# Altium PCB Main.PcbDoc (part 1 of 2) (continued)
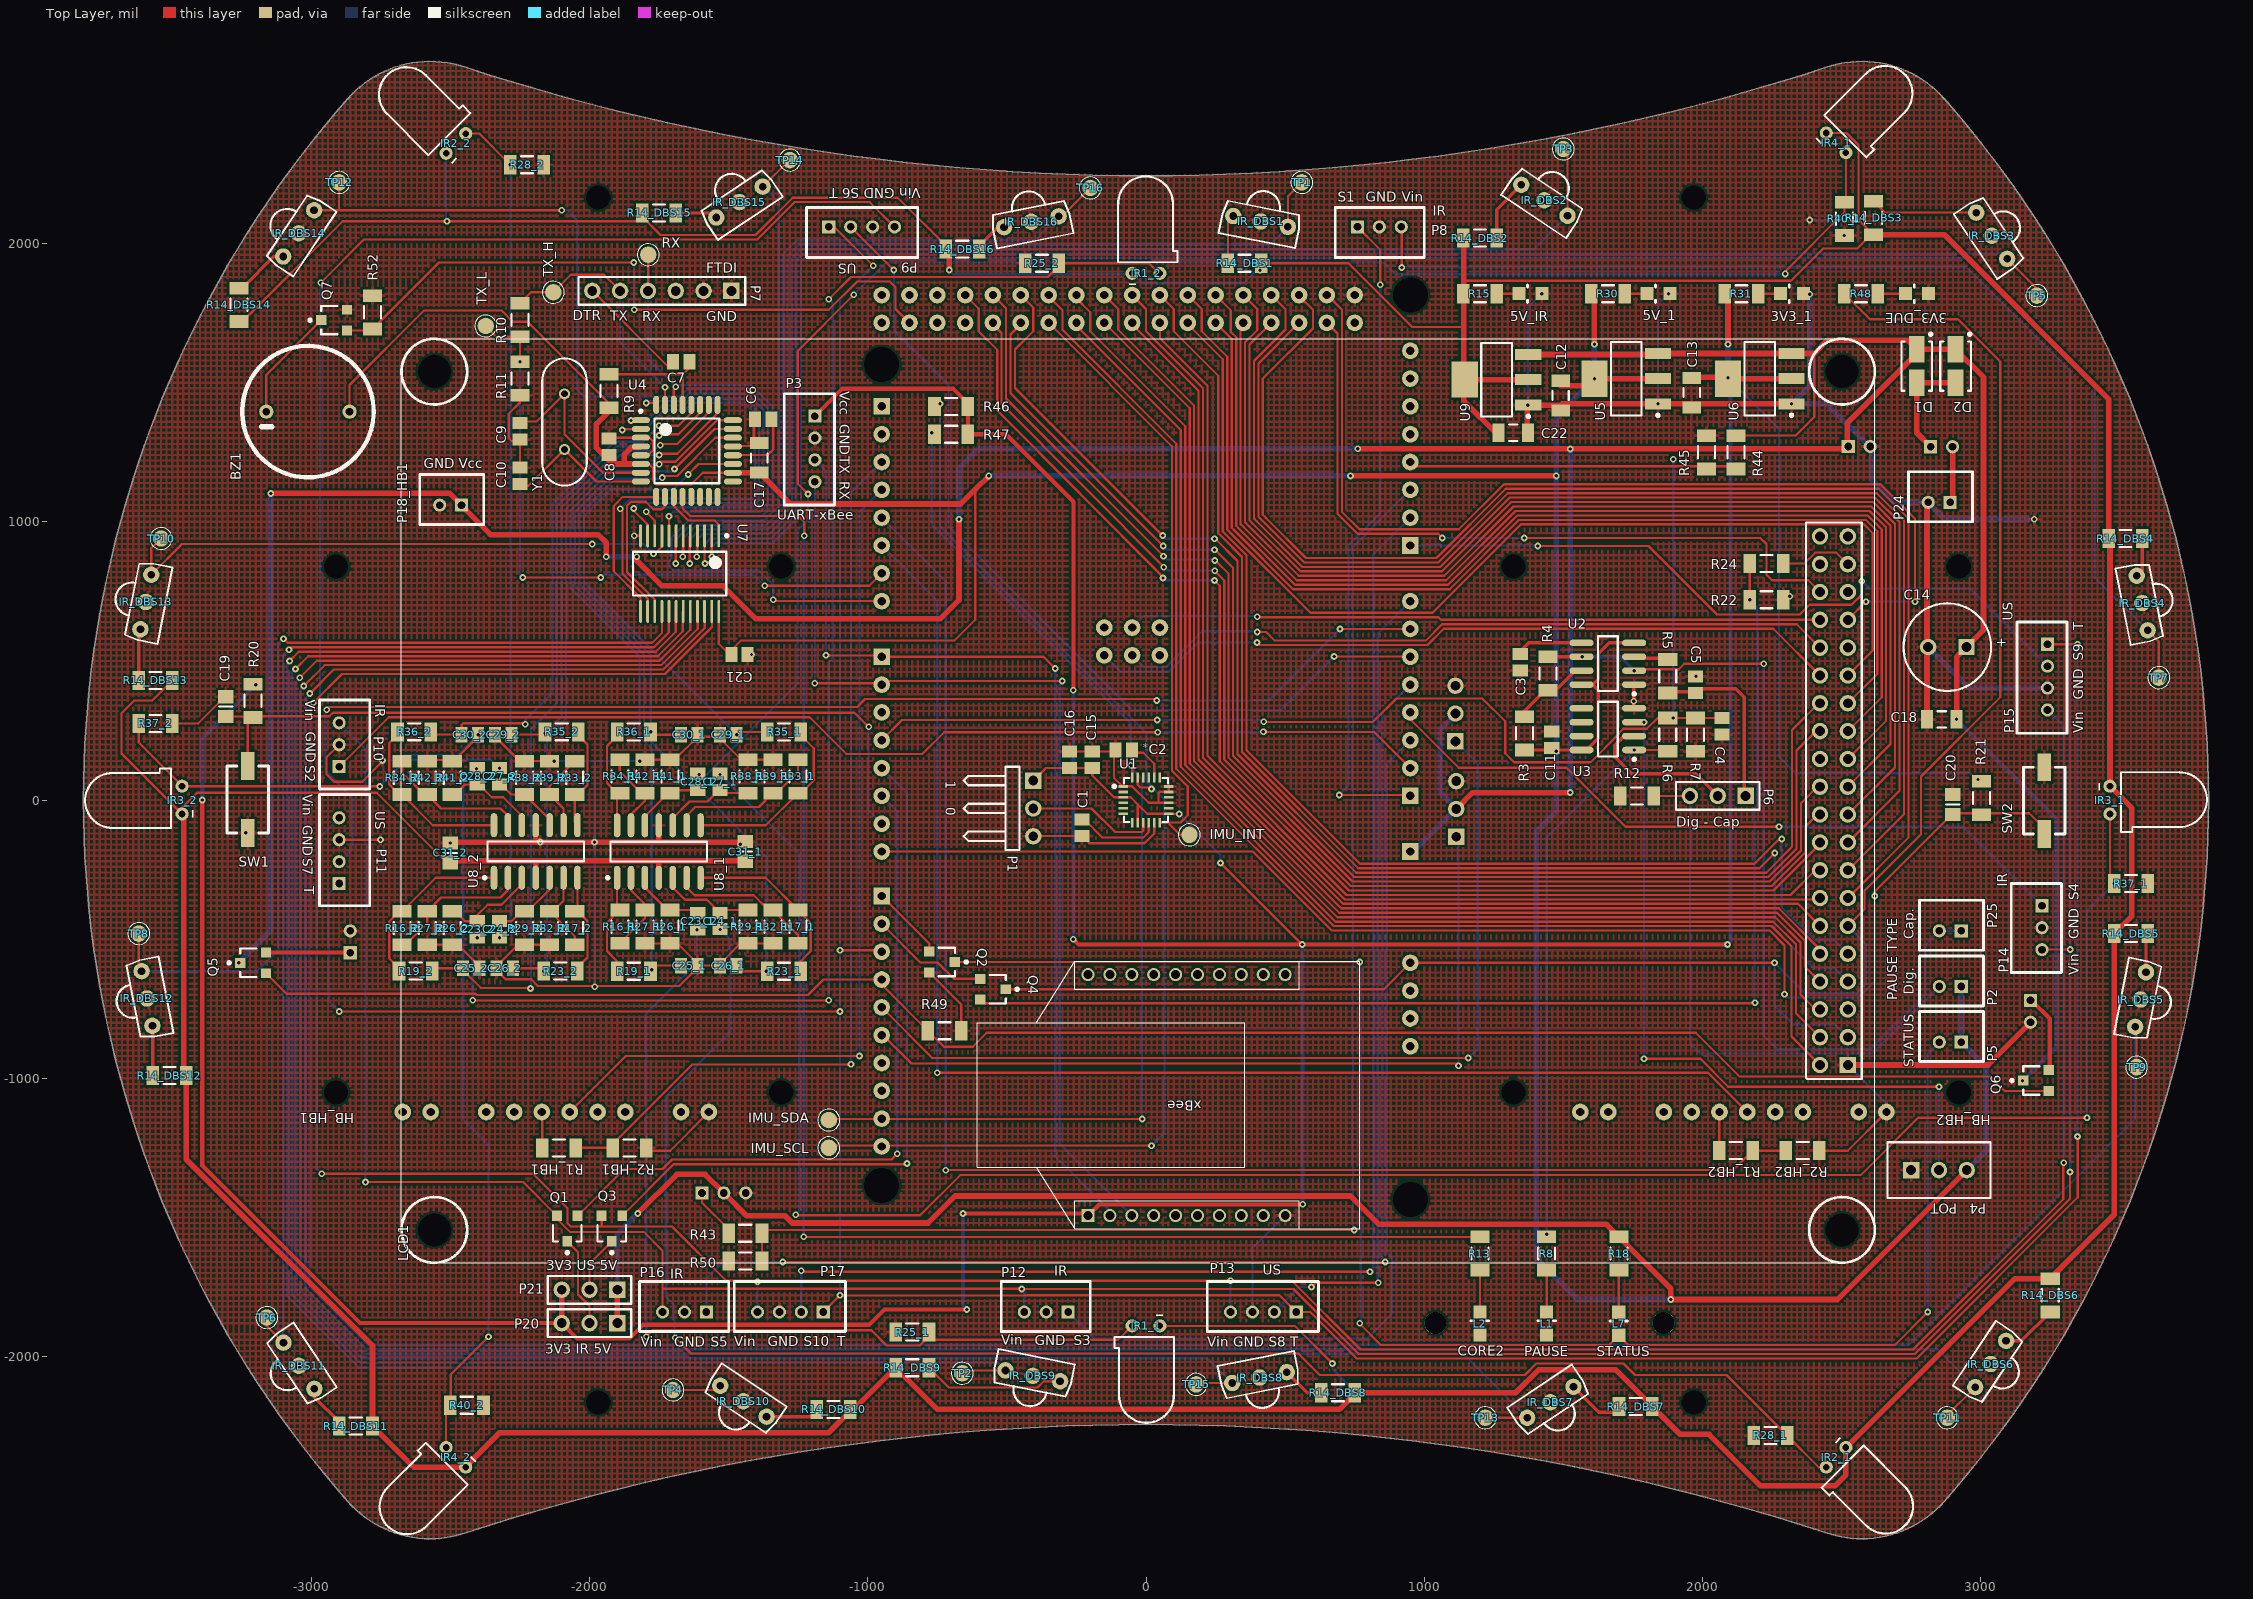
[diagram p0: Top Layer view]
## Components (designator, comment, footprint, x,y, rotation, side; value= is the part's Value field where it differs from the comment) (continued)
RX "Test Point" TP1 -1789,1960 r0 top
SW1 "PUSH BUTTON" "PUSH-BUTTON 5,2X1,6MM" -3228.35,-118.11 r90 top
SW2 "PUSH BUTTON" "PUSH-BUTTON 5,2X1,6MM" 3228.35,118.11 r270 top
TP1 "Test Point" TP1 560,2220 r0 top
TP2 "Test Point" TP1 -660,-2060 r0 top
TP3 "Test Point" TP1 1500,2340 r0 top
TP4 "Test Point" TP1 -1700,-2120 r0 top
TP5 "Test Point" TP1 3202,1813 r0 top
TP6 "Test Point" TP1 -3160,-1860 r0 top
TP7 "Test Point" TP1 3640,440 r0 top
TP8 "Test Point" TP1 -3620,-480 r0 top
TP9 "Test Point" TP1 3560,-960 r0 top
TP10 "Test Point" TP1 -3540,940 r90 top
TP11 "Test Point" TP1 2880,-2220 r90 top
TP12 "Test Point" TP1 -2900,2220 r90 top
TP13 "Test Point" TP1 1220,-2220 r90 top
TP14 "Test Point" TP1 -1280,2300 r90 top
TP15 "Test Point" TP1 180,-2100 r90 top
TP16 "Test Point" TP1 -200,2200 r90 top
TX_H "Test Point" TP1 -2130,1825 r90 top
TX_L "Test Point" TP1 -2373,1704 r90 top
U1 "MPU-9150" QFN50P400X400X100-24N 0,0 r0 top
U2 "LM555CM" M08A_N 1660,490 r180 top
U3 "LM358D" 751-02_N 1660,254.96 r180 top
U4 "ATmega328-AU" 32A_N -1650,1255 r0 top locked
U5 "LM1117IMPX-5.0/NOPB" MP04A_N 1725.83,1514.45 r180 top
U6 "LM1117IMPX-3.3/NOPB" MP04A_N 2205.83,1514.45 r180 top
U7 "4067" SSOP-24 -1676,814 r270 top
U8_1 "LM224D" SO14_N -1751,-185 r90 top (schematic designator U8)
U8_2 "LM224D" SO14_N -2193.4,-184.8 r90 top (schematic designator U8)
U9 "LM1117IMPX-5.0/NOPB" MP04A_N 1260,1510.9 r180 top
xBee "xBee" xBee 571,-580 r180 top locked
Y1 "16Mhz" OSC-2-PIN-TH -2090,1460 r270 top

## Footprints (in the part's own frame and the unit in brackets; to place one, negate y for a bottom-side part, rotate by r counter-clockwise, add the part's x,y. Pads: shape width x height; smd on the part's side, far side on the other; paste and mask are expansions set on the pad)
6-0805_N [mm] "Chip Resistor, Body 2.0x1.2mm, IPC Medium Density"
  rect 1.2x1.4 smd: 1(-0.9,0) 2(0.9,0)
  silkscreen extent 0,-0.6 0,0.6, body extent -1.07,-0.7 1.07,0.7, height 0.7
32A_N [mm] "Thin QFP, 32-Leads, Body 7x7mm, Pitch 0.8mm, IPC Medium Density"
  oval 1.65x0.55 smd: 1(-4.2,2.8) 2(-4.2,2) 3(-4.2,1.2) 4(-4.2,0.4) 5(-4.2,-0.4) 6(-4.2,-1.2) 7(-4.2,-2) 8(-4.2,-2.8) 17(4.2,-2.8) 18(4.2,-2) 19(4.2,-1.2) 20(4.2,-0.4) 21(4.2,0.4) 22(4.2,1.2) 23(4.2,2) 24(4.2,2.8)
  oval 0.55x1.65 smd: 9(-2.8,-4.2) 10(-2,-4.2) 11(-1.2,-4.2) 12(-0.4,-4.2) 13(0.4,-4.2) 14(1.2,-4.2) 15(2,-4.2) 16(2.8,-4.2) 25(2.8,4.2) 26(2,4.2) 27(1.2,4.2) 28(0.4,4.2) 29(-0.4,4.2) 30(-1.2,4.2) 31(-2,4.2) 32(-2.8,4.2)
  silkscreen extent -4.32,-2.95 2.95,3.75, body extent -3.5,-3.5 3.5,3.5, height 1.2
751-02_N [mm] "SOIC, 8-Leads, Body 4.9x3.9mm, Pitch 1.27mm, IPC Medium Density"
  oval 2.2x0.6 smd: 1(-2.4,1.905) 2(-2.4,0.635) 3(-2.4,-0.635) 4(-2.4,-1.905) 5(2.4,-1.905) 6(2.4,-0.635) 7(2.4,0.635) 8(2.4,1.905)
  silkscreen extent -2.53,-2.5 0.9,2.88, body extent -1.95,-2.45 1.95,2.45, height 1.75
ARDUINO-DUE [mil]
  rect 60x60 hole 30: 0(2500,2000) 8(1640,2000) 21(3400,2000) A0(2000,100) A8(2900,100) VIN(1800,100)
  round 60 hole 30: 1(2400,2000) 2(2300,2000) 3(2200,2000) 3V3(1400,100) 4(2100,2000) 5(2000,2000) 5V(3700,2000) 5V(3800,2000) 6(1900,2000) 7(1800,2000) 9(1540,2000) 10(1440,2000) 11(1340,2000) 12(1240,2000) 13(1140,2000) 14(2700,2000) 15(2800,2000) 16(2900,2000) 17(3000,2000) 18(3100,2000) 19(3200,2000) 20(3300,2000) 22(3700,1900) 23(3800,1900) 24(3700,1800) 25(3800,1800) 26(3700,1700) 27(3800,1700) 28(3700,1600) 29(3800,1600) 30(3700,1500) 31(3800,1500) 32(3700,1400) 33(3800,1400) 34(3700,1300) 35(3800,1300) 36(3700,1200) 37(3800,1200) 38(3700,1100) 39(3800,1100) 40(3700,1000) 41(3800,1000) 42(3700,900) 43(3800,900) 44(3700,800) 45(3800,800) 46(3700,700) 47(3800,700) 48(3700,600) 49(3800,600) 50(3700,500) 51(3800,500) 52(3700,400) 53(3800,400) +VCC(2605,1200) A1(2100,100) A2(2200,100) A3(2300,100) A4(2400,100) A5(2500,100) A6(2600,100) A7(2700,100) A9(3000,100) A10(3100,100) A11(3200,100) AREF(940,2000) CANRX(3500,100) CANTX(3600,100) DAC0(3300,100) DAC1(3400,100) GND(2605,1000) GND1(1040,2000) GND4(3700,300) GND5(3800,300) IOREF(1200,100) MISO(2505,1200) MOSI(2605,1100) RESET(1100,100) RESET(1300,100) RESET(2505,1000) SCK(2505,1100) SCL1(740,2000) SDA1(840,2000)
  round 62.99 hole 125.98: H(550,100) H(600,2000) H(3550,2000) H(3800,100)
  body extent -35,0 4000,2100, height 441
B2B-PH-K [mm] "JST PH 2 Pin"
  rect 1.2x1.2 hole 0.7: 1(0,0)
  round 1.2 hole 0.7: 2(2,0)
  silkscreen extent -2.03,-2.79 3.81,1.78, body extent -2.09,-2.76 3.81,1.74, height 6
B3B-PH-K [mm] "JST PH 3 Pin"
  rect 1.2x1.2 hole 0.7: 1(0,0)
  round 1.2 hole 0.7: 2(2,0) 3(4,0)
  silkscreen extent -2.03,-2.79 6.1,1.78, body extent -1.92,-2.79 5.98,1.71, height 6
B4B-PH-K [mm] "JST PH 4 Pin"
  rect 1.2x1.2 hole 0.7: 1(0,0)
  round 1.2 hole 0.7: 2(2,0) 3(4,0) 4(6,0)
  silkscreen extent -2.03,-2.79 8.13,1.78, body extent -1.9,-2.72 8,1.78, height 6
BUZZER [mm] "Buzzer 12mm"
  round 1.3 hole 0.7: 1(-3.8,0) 2(3.8,0)
  silkscreen extent -6,-6 6,6, body extent -6.03,-6 9.43,6, height 9.65
C0805 [mm] "Chip Capacitor, Body 2.0x1.3mm, IPC High Density"
  rect 1.1x1.4 smd: 1(-0.75,0) 2(0.75,0)
  body extent -1.1,-0.72 1.1,0.72, height 1.4
C1206 [mm] "Chip Capacitor, Body 3.2x1.6mm, IPC High Density"
  rect 1.1x1.7 smd: 1(-1.35,0) 2(1.35,0)
  silkscreen extent -0.4,-0.75 0.4,0.75, body extent -1.7,-0.9 1.7,0.9, height 1.3
DIODESMA [mm]
  rect 2.4x1.45 smd: 1(-1.525,0) 2(1.525,0)
  silkscreen extent -3.02,-1.4 2.25,1.4, body extent -2.25,-1.4 2.25,1.4, height 2.3
E [mm] "Capacitor, Electrolytic, Radial; Body 8 x 10.5 mm (Dia.xH typ); Pin Spacing 3.5 mm (typ)"
  rect 1.5x1.5 hole 0.9: 1(-1.75,0)
  round 1.5 hole 0.9: 2(1.75,0)
  silkscreen extent -4,-4 4,4
HDR1X3 [mm] "Connector; Header; 3 Position"
  rect 1.5x1.5 hole 0.9: 1(0,0)
  round 1.5 hole 0.9: 2(2.54,0) 3(5.08,0)
  silkscreen extent -1.27,-1.27 6.35,1.27
HDR1X3H [mm] "Connector; Header; 3 Position; Right Angle"
  rect 1.5x1.5 hole 0.9: 1(0,0)
  round 1.5 hole 0.9: 2(2.54,0) 3(5.08,0)
  silkscreen extent -1.27,-6.35 6.35,-1.27
HDR1X6 [mm] "Connector; Header; 6 Position"
  rect 1.5x1.5 hole 0.9: 1(0,0)
  round 1.5 hole 0.9: 2(2.54,0) 3(5.08,0) 4(7.62,0) 5(10.16,0) 6(12.7,0)
  silkscreen extent -1.27,-1.27 13.97,1.27
KSM603 [mm] "Infrared sensor 3 pin KSM603"
  round 1.5 hole 0.7: 1(0,0) 2(2.54,0) 3(5.08,0)
  silkscreen extent -1.02,-2.79 6.1,1.78, body extent -0.81,-2.81 5.89,1.65, height 7.1
LED0805 [mm]
  rect 1.2x1.2 smd: 1(0,0) 2(2.1,0)
  silkscreen extent 0.8,-0.8 0.8,0.8, body extent 0,-0.7 2.1,0.7, height 0.8
"LED-5mm - Horizontal" [mm]
  round 1.2 hole 0.6: 1(1.27,0) 2(-1.27,0)
  silkscreen extent -2.9,-8.85 2.54,0.99, body extent -2.86,-9.01 2.74,1.69, height 6.8
M08A_N [mm] "SOIC, 8-Leads, Body 4.9x3.9mm, Pitch 1.27mm, IPC Medium Density"
  oval 2.2x0.6 smd: 1(-2.4,1.905) 2(-2.4,0.635) 3(-2.4,-0.635) 4(-2.4,-1.905) 5(2.4,-1.905) 6(2.4,-0.635) 7(2.4,0.635) 8(2.4,1.905)
  silkscreen extent -2.53,-2.5 0.9,2.88, body extent -2,-2.5 2,2.5, height 1.75
MP04A_N [mm] "SOT223, 4-Leads, Body 6.5x3.5mm, Pitch 2.3mm, Lead Span 7mm, IPC Medium Density"
  rect 2.4x1 smd: 1(-2.9,2.3) 2(-2.9,0) 3(-2.9,-2.3)
  rect 2.4x3.3 smd: 4(2.9,0)
  silkscreen extent -3.03,-3.35 1.4,3.47, body extent -1.85,-3.35 1.85,3.35, height 1.8
OSC-2-PIN-TH [mm] "Trough Hole two pin crystal oscilator"
  round 1 hole 0.6: 1(0,0) 2(5.08,0)
  silkscreen extent -3.23,-2.03 8.37,2.03, body extent -2.79,-1.52 7.87,1.52, height 3.09
POLOLU-QIK-2S12V10-BOTTOM [mil] "Pololu H Bridge"
  round 47.24 hole 86.61 unplated: 0(130,1730) 0(130,130) 0(2020,130) 0(2020,1730)
  round 60 hole 30: 5V(60,790) ERR(60,1190) GND1(60,1390) GND2(60,690) GND3(60,390) RST(60,1090) RX(60,890) SIN(60,490) TX(60,990) VIN(60,1490)
  body extent 0,0 2165,1870, height 437
"PUSH-BUTTON 5,2X1,6MM" [mm]
  rect 2.54x1.27 smd: 1(0,0) 2(6.1,0)
  silkscreen extent 0,-1.9 6.1,1.9, body extent -0.3,-1.7 6.5,1.7, height 2.5
QFN50P400X400X100-24N [mm] "QFN, 24-Leads, Body 4,0x4,0mm (max), Pitch 0,50mm, IPC Medium Density"
  rect 0.9x0.26 smd: 1(-2.075,1.25) 2(-2.075,0.75) 3(-2.075,0.25) 4(-2.075,-0.25) 5(-2.075,-0.75) 6(-2.075,-1.25) 13(2.075,-1.25) 14(2.075,-0.75) 15(2.075,-0.25) 16(2.075,0.25) 17(2.075,0.75) 18(2.075,1.25)
  rect 0.26x0.9 smd: 7(-1.25,-2.075) 8(-0.75,-2.075) 9(-0.25,-2.075) 10(0.25,-2.075) 11(0.75,-2.075) 12(1.25,-2.075) 19(1.25,2.075) 20(0.75,2.075) 21(0.25,2.075) 22(-0.25,2.075) 23(-0.75,2.075) 24(-1.25,2.075)
  silkscreen extent -3.02,-2 2,2, body extent -2,-2 2,2, height 1
RES1206 [mm] "Chip Resistor, 2-Leads, Body 3,1x1,6mm, IPC Medium Density"
  rect 1.15x1.75 smd: 1(-1.525,0) 2(1.525,0)
  silkscreen extent -0.55,-0.78 0.55,0.78, body extent -1.6,-0.8 1.6,0.8, height 0.55
SO14_N [mm] "SOIC, 14-Leads, Body 8.7x3.9mm, Pitch 1.27mm, IPC Medium Density"
  oval 2.2x0.6 smd: 1(-2.4,3.81) 2(-2.4,2.54) 3(-2.4,1.27) 4(-2.4,0) 5(-2.4,-1.27) 6(-2.4,-2.54) 7(-2.4,-3.81) 8(2.4,-3.81) 9(2.4,-2.54) 10(2.4,-1.27) 11(2.4,0) 12(2.4,1.27) 13(2.4,2.54) 14(2.4,3.81)
  silkscreen extent -2.52,-4.4 0.9,4.78, body extent -1.95,-4.33 1.95,4.33, height 1.75
SOT23 [mm] "SOT-23; 3 Leads; Body 3.1 x 2.5 mm, inc. leads (LxW max), Alternate Lead Configuration"
  rect 0.9x0.95 smd: 1(0,1.175) 2(0.95,-1.175) 3(-0.95,-1.175)
  silkscreen extent -1.3,-0.3 1.3,2.32
SSOP-24 [mm] "SOP, 24-Leads, Body 8,5x5,6mm (max), Pitch 0,65mm, IPC Medium Density"
  oval 2.1x0.254 smd: 1(-3.45,3.575) 2(-3.45,2.925) 3(-3.45,2.275) 4(-3.45,1.625) 5(-3.45,0.975) 6(-3.45,0.325) 7(-3.45,-0.325) 8(-3.45,-0.975) 9(-3.45,-1.625) 10(-3.45,-2.275) 11(-3.45,-2.925) 12(-3.45,-3.575) 13(3.45,-3.575) 14(3.45,-2.925) 15(3.45,-2.275) 16(3.45,-1.625) 17(3.45,-0.975) 18(3.45,-0.325) 19(3.45,0.325) 20(3.45,0.975) 21(3.45,1.625) 22(3.45,2.275) 23(3.45,2.925) 24(3.45,3.575)
  silkscreen extent -3.57,-4.25 2,4.43, body extent -2.8,-4.25 2.8,4.25, height 2
"TFT LCD 5.0 INCHES" [mm]
  round 1.2 hole 3 unplated: 0(3,81.35) 0(3,3) 0(131.5,3) 0(131.5,81.35)
  rect 1.5x1.5 hole 0.9: 1(2.464,66.294)
  round 1.5 hole 0.9: 2(2.464,63.754) 3(2.464,61.214) 4(2.464,58.674) 5(2.464,56.134) 6(2.464,53.594) 7(2.464,51.054) 8(2.464,48.514) 9(2.464,45.974) 10(2.464,43.434) 11(2.464,40.894) 12(2.464,38.354) 13(2.464,35.814) 14(2.464,33.274) 15(2.464,30.734) 16(2.464,28.194) 17(2.464,25.654) 18(2.464,23.114) 19(2.464,20.574) 20(2.464,18.034) 21(5.004,66.294) 22(5.004,63.754) 23(5.004,61.214) 24(5.004,58.674) 25(5.004,56.134) 26(5.004,53.594) 27(5.004,51.054) 28(5.004,48.514) 29(5.004,45.974) 30(5.004,43.434) 31(5.004,40.894) 32(5.004,38.354) 33(5.004,35.814) 34(5.004,33.274) 35(5.004,30.734) 36(5.004,28.194) 37(5.004,25.654) 38(5.004,23.114) 39(5.004,20.574) 40(5.004,18.034)
  silkscreen extent 0,0 134.5,84.35, body extent 0,0 133,84.35, height 16.78
TP1 [mm]
  round 1.5 smd: 1(0,0)
  silkscreen extent -1,-1 1,1
TRIMPOT-3296W [mm]
  rect 1.5x1.5 hole 0.9: 1(0,0)
  round 1.5 hole 0.9: 2(2.54,0) 3(5.08,0)
  silkscreen extent -2.16,-2.54 7.24,2.54, body extent -2.06,-2.41 7.14,2.39, height 11.96
xBee [mm]
  rect 1.2x1.2 hole 0.8: 1(19.8,23.2)
  round 1.2 hole 0.8: 2(17.8,23.2) 3(15.8,23.2) 4(13.8,23.2) 5(11.8,23.2) 6(9.8,23.2) 7(7.8,23.2) 8(5.8,23.2) 9(3.8,23.2) 10(1.8,23.2) 11(1.8,1.2) 12(3.8,1.2) 13(5.8,1.2) 14(7.8,1.2) 15(9.8,1.2) 16(11.8,1.2) 17(13.8,1.2) 18(15.8,1.2) 19(17.8,1.2) 20(19.8,1.2)
  silkscreen extent -5,0 29.9,24.4, body extent -0.36,0 27.54,24.5, height 7.8

## Part data
BZ1: library part BUZZER
C1 C2 C3 C4 C5 C6 C7 C8 C9 C10 C11 C12 C13 C15 C16 C17 C18 C19 C20 C21 C22 C23_1 C23_2 C24_1 C24_2 C25_1 C25_2 C26_1 C26_2 C27_1 C27_2 C28_1 C28_2 C29_1 C29_2 C30_1 C30_2: library part "Cap Semi", "Capacitor (Semiconductor SIM Model)"
C14: library part 94SA107X0010EBP, "Solid Aluminum Capacitor with Organic Semiconductor Electrolyte: 100uF, 10V, Bulk Pack"
C31_1 C31_2: "Capacitor (Semiconductor SIM Model)"
D1 D2: library part DIODE
HB_HB1 HB_HB2: library part POLOLU-QIK-2S12V10, "POLOLU QIK 2S12V10 DUAL H BRIDGE"
IMU_INT IMU_SCL IMU_SDA RX TP1 TP2 TP3 TP4 TP5 TP6 TP7 TP8 TP9 TP10 TP11 TP12 TP13 TP14 TP15 TP16 TX_H TX_L: "Test Point for Osciloscope measurements"
IR1_1 IR1_2 IR2_1 IR2_2 IR3_1 IR3_2 IR4_1 IR4_2: library part LED
IR_DBS1 IR_DBS2 IR_DBS3 IR_DBS4 IR_DBS5 IR_DBS6 IR_DBS7 IR_DBS8 IR_DBS9 IR_DBS10 IR_DBS11 IR_DBS12 IR_DBS13 IR_DBS14 IR_DBS15 IR_DBS16: library part DIGITAL-IR-SENSOR, "Generic Infra Red Sensor"
LCD1: library part "TFT LCD 5.0 INCHES"
P1: "Header, 3-Pin, Right Angle"
P4: library part TRIMPOT
P6 P20 P21 P27 P28: "Header, 3-Pin"
P7: "Header, 6-Pin"
Q1 Q2 Q3 Q4 Q5 Q6 Q7: "N-Channel Enhancement Mode Vertical DMOS FET"
R1_HB1 R1_HB2 R2_HB1 R2_HB2 R3 R4 R5 R6 R7 R8 R9 R10 R11 R12 R13 R14_DBS1 R14_DBS2 R14_DBS3 R14_DBS4 R14_DBS5 R14_DBS6 R14_DBS7 R14_DBS8 R14_DBS9 R14_DBS10 R14_DBS11 R14_DBS12 R14_DBS13 R14_DBS14 R14_DBS15 R14_DBS16 R15 R16_1 R16_2 R17_1 R17_2 R18 R19_1 R19_2 R20 R21 R22 R23_1 R23_2 R24 R25_1 R25_2 R26_1 R26_2 R27_1 R27_2 R28_1 R28_2 R29_1 R29_2 R30 R31 R32_1 R32_2 R33_1 R33_2 R34_1 R34_2 R35_1 R35_2 R36_1 R36_2 R37_1 R37_2 R38_1 R38_2 R39_1 R39_2 R40_1 R40_2 R41_1 R41_2 R42_1 R42_2 R43 R44 R45 R46 R47 R48 R49 R50 R52: library part RES
U1: "InveSense MPU-9150 IMU 9 axles"
U2: "Timer, 8-pin Narrow SOIC"
U3: "Dual Low-Power Operational Amplifier"
U4: "8-bit AVR Microcontroller, 32KB Flash, 1KB EEPROM, 2KB SRAM, 32-pin TQFP, Industrial Grade (-40°C to 85°C)"
U5 U6 U9: "800mA Low-Dropout Linear Regulator, 4-pin SOT-223, Pb-Free"
U7: library part MUX-74HC4067, "MUX-74HC4067"
U8_1 U8_2: "Low-Power Quad Operational Amplifier"
Y1: library part OSC-2-PIN, "2 pin oscilator"

## Free pads (board coordinates)
  round 59.06 hole 86.61 unplated: 0(-1968.5,2165.35) 1(1968.5,2165.35) 2(1968.5,-2165.35) 3(-1968.5,-2165.35)
  round 78.74 hole 78.74: 0(1860,-1879.5) 1(1040,-1880)

## Via types
v1: diameter 24, hole 12, Top Layer to Bottom Layer, tented both sides, 227 vias
v2: diameter 24, hole 12, Top Layer to Bottom Layer, 2 vias

## Nets (pads, with @x,y where several pads share a name; then routed paths per layer and width w, separated by ;. In a path a pad name is that pad's centre, name@x,y a point inside that pad or via, vN(x,y) a via of type N, cw(c..) or ccw(c..) an arc to the next point about the centre after c; other vN are vias at no path point)
+3V3_1: C13.2 C15.2 C16.2 P1.1 P3.1 P20.3 P21.3 R20.1 R21.1 R31.2 R46.1 R47.1 U1.3 U1.8 U1.13 U6.2 U6.4 xBee.1 | length 18852.2
  Top Layer w8: P1.1@-405,70 -359.53,115.47 C16.2@-275,115.47 C15.2@-193,115.47 -193,88 -115,10 -81.85,10 U1.3@-81.69,9.84 -81.53,10 -55,10 -27.5,-17.5 ; U1.8@-29.53,-81.69 -30,-81.22 -30,-20 -25,-20 4.21,-49.21 U1.13@81.69,-49.21 82.48,-50 v1@112,-50 ; v1(268,-226) v1(561,-519) ; v1(2990,74) 2996.96,67.04 R21.1@3003,67.04
  Top Layer w15: v1(-3392,0) -3392,-1312.94 -2824.94,-1880 P20.3@-2100,-1880 -2045,-1935 -1857,-1935 -1808,-1886 -995,-1886 -940,-1831 v1(-644,-1831) ; P3.1@-1190,1380 -1092,1478 -692,1478 -639.96,1425.96 R46.1@-639.96,1415 R47.1@-639.96,1315 -504,1315 -261,1072 v1(-261,395) ; v1(-658,-1486) -215.91,-1486 xBee.1@-208.53,-1493.39 -168.14,-1453 v1(563,-1453) ; v1(-261,-500) -242,-519 v1(561,-519) v1(2090,-519)
  Top Layer w20: P20.3@-2100,-1880 P21.3@-2100,-1760 ; C13.2@1961.65,1519.88 U6.4@2077.09,1519.88 ; v1(2091.65,1518.35) U6.4@2091.65,1514.45 U6.2@2320,1514.45 ; v1(2091.65,1638.35) R31.2@2091.65,1808.31
  Bottom Layer w8: v1@112,-50 v1(120,-50) 268,-198 v1(268,-226) ; v1(561,-519) v1@563,-521 ; v1(2091.65,1518.35) 2101,1509 2275,1335 2275,156 2335,96 2963,96 2985,74 v1(2990,74)
  Bottom Layer w15: v1(-3392,0) -3392,222 v1(-3200,414) ; v1(-658,-1486) -658,-1817 v1(-644,-1831) ; v1(-261,-500) v1(-261,395) ; v1(563,-1453) v1@563,-521 ; v1(2090,-519) 2101,-508 2101,1509
  Bottom Layer w20: v1(2091.65,1518.35) v1(2091.65,1638.35)
+3V3_DUE: *.3V3 LCD1.2 LCD1.6 Q4.1 R48.2 | length 6805.8
  Top Layer w8: Q4.1@-503.74,-680 855,-680 *.3V3@950,-585 v1(2259,-585) ; R48.2@2509.96,1820 2601.96,1728 2918,1728 3070,1576 3070,370 2785,85 2785,-123 2582,-326 2582,-392.7 LCD1.6@2522.45,-452.25
  Bottom Layer w8: LCD1.2@2522.45,-852.25 2477.21,-807 2327,-807 2259,-739 v1(2259,-585) 2367.77,-693.77 2554.6,-693.77 2588,-660.37 2588,-517.79 LCD1.6@2522.45,-452.25
+5V_1: BZ1.1 C8.2 C11.2 C12.2 C17.2 C21.2 P2.1 P4.3 P5.1 P19.2 P20.1 P21.1 R3.2 R9.1 R18.1 R30.2 U2.4 U2.8 U3.8 U4.4 U4.6 U4.18 U5.2 U5.4 U7.24 | length 18530.7
  Top Layer w8: BZ1.1@-2862.39,1396 -2862.39,1491.61 -2594,1760 -2316.45,1760 -2275.45,1719 -2223,1719 -1930,1426 R9.1@-1930,1409.96 ; U4.6@-1815.35,1207.76 -1786.7,1207.76 -1770.87,1191.93 -1770.87,1166.8 -1770.87,1147.87 -1758,1135 -1634,1135 -1592.74,1176.26 U4.18@-1484.65,1176.26 ; U7.24@-1535.25,678.17 -1535.25,561.82 -1501.22,527.78 -1456,573 -689,573 -614,648 -614,1116
  Top Layer w12: R3.2@1340.43,160.35 R3.2@1360,179.92 1537.91,179.92 U3.8@1565.47,179.92 ; C11.2@1458,181.61 C11.2@1465.57,181.61 ; U3.8@1537.91,179.96 U3.8@1565.51,179.96 1583.51,179.96 1625,221.45 1625,395 U2.8@1605,415 ; U2.8@1565.51,415 U2.8@1567.48,415 ; U2.4@1754.49,565 1665,565 1625,525 1625,435 U2.8@1605,415 ; U2.8@1567.48,415 U2.8@1605,415 ; U2.8@1567.48,415 1569.48,413 1603,413 U2.8@1605,415
  Top Layer w20: R9.1@-1930,1409.96 -1930,1397.07 -1975.56,1351.51 -1975.56,1265.56 -1917.76,1207.76 -1875,1207.76 ; P20.1@-1900,-1880 P21.1@-1900,-1760 ; v1(-1827,-1486) -1686,-1345 -1584.26,-1345 P19.2@-1517.26,-1412 -1435.26,-1494 -1297.43,-1494 -1271.43,-1520 -783,-1520 -686,-1423 735,-1423 837,-1525 1655.04,-1525 R18.1@1700,-1569.96 1886,-1755.96 v1(1886,-1795) 2485,-1795 P4.3@2950,-1330 ; U4.6@-1815.35,1207.76 -1875,1207.76 ; U4.4@-1815.35,1270.75 -1818.02,1268.08 -1848.95,1268.08 -1875,1242.03 -1875,1207.76 ; U4.18@-1484.65,1176.26 C17.2@-1396.26,1176.26 ; C17.2@-1390,1176.85 -1277.15,1064 -666,1064 -614,1116 v1(-565,1165) ; v1(735,1165) v1(1475,1165) ; C12.2@1490,1489.33 U5.4@1586.54,1489.33 ; v1(1611.65,1514.45) U5.2@1840,1514.45 ; v1(1611.65,1638.35) R30.2@1611.65,1808.31
  Bottom Layer w20: P21.1@-1900,-1760 -1900,-1559 v1(-1827,-1486) ; v1(-565,1165) v1(735,1165) ; v1(1611.65,1638.35) v1(1611.65,1514.45) 1475,1377.8 v1(1475,1165) v1(1475,176) 1475,-40 1403,-112 1403,-1648 1550,-1795 v1(1886,-1795) ; P2.1@2930,-670 P5.1@2930,-870 3019,-959 3019,-1261 P4.3@2950,-1330
+5V_IR: C22.2 C31_1.2 C31_2.2 IR1_1.1 IR1_2.1 IR2_1.1 IR2_2.1 IR3_1.1 IR3_2.1 IR4_1.1 IR4_2.1 R14_DBS1.2 R14_DBS2.2 R14_DBS3.2 R14_DBS4.2 R14_DBS5.2 R14_DBS6.2 R14_DBS7.2 R14_DBS8.2 R14_DBS9.2 R14_DBS10.2 R14_DBS11.2 R14_DBS12.2 R14_DBS13.2 R14_DBS14.2 R14_DBS15.2 R14_DBS16.2 R15.2 U8_1.4 U8_2.4 U9.2 U9.4 | length 25852.6
  Top Layer w8: R14_DBS13.2@-3499.96,430 -3571.96,358 -3636,358 -3682,312 -3682,167.43 IR3_2.1@-3464.57,-50 -3464.57,-27.57 -3411,26 -2764.94,26 -2513.51,-225.43 C31_2.2@-2500,-225.43 ; R14_DBS14.2@-3260,1719.96 -3247.04,1719.96 -2887,2080 v1(-2512,2080) -1813,2080 -1810.04,2082.96 R14_DBS15.2@-1810.04,2110 -1810.04,2096.04 -1745,2031 -1403.63,2031 -1269.63,2165 -892,2165 -720.04,1993.04 R14_DBS16.2@-720.04,1980 ; IR1_1.1@50,-1889.76 534.76,-1889.76 v1(670,-2025) ; v1(410,1904) R14_DBS1.2@410,1924.76 ; R14_DBS1.2@414.37,1929.13 727.87,1929.13 957,1700 1141.83,1700 ; 1141.83,1874 1149.38,1866.45 2318.45,1866.45 2434,1982 2556,1982 2605.96,2031.96 R14_DBS3.2@2615,2031.96 2561,2085.96 2561,2354 2517.44,2397.56 IR4_1.1@2444.96,2397.56
  Top Layer w20: IR3_2.1@-3464.57,-50 -3459,-55.57 -3459,-980.96 R14_DBS12.2@-3449.96,-990 -3449.96,-1291.04 -2779.96,-1961.04 R14_DBS11.2@-2779.96,-2250 -2632.4,-2397.56 IR4_2.1@-2444.96,-2397.56 -2444.96,-2394.96 -2324,-2274 -1141,-2274 -1057,-2190 -1051,-2190 -901,-2040 R14_DBS9.2@-900.04,-2040 -750.04,-2190 695,-2190 v1(755,-2130) ; C31_2.2@-2500,-225.43 -2492.55,-217.98 -2195,-217.98 ; U8_2.4@-2193.4,-279.29 -2193.4,-219.58 -2195,-217.98 ; U8_1.4@-1751,-279.49 -1751,-218.98 -1750,-217.98 ; C31_1.2@-1440,-220.43 -1442.45,-217.98 -1750,-217.98 ; R14_DBS16.2@-720.04,1980 -707,1966.96 v1(-707,1905) ; R14_DBS8.2@750.04,-2130 v1(755,-2130) ; R14_DBS2.2@1141.83,2020 1141.83,1874 1141.83,1700 U9.4@1141.83,1510.9 ; C22.2@1266.85,1310 1141.83,1435.02 U9.4@1141.83,1510.9 ; U9.2@1370.17,1510.9 U9.4@1145.83,1510.9 U9.4@1141.83,1510.9 ; R14_DBS3.2@2615,2031.96 2869.04,2031.96 3459.96,1441.04 R14_DBS4.2@3459.96,940 3464.57,935.39 IR3_1.1@3464.57,50 3543,-28.43 3543,-416.96 R14_DBS5.2@3479.96,-480 3479.96,-1490 R14_DBS6.2@3250,-1719.96 3122.56,-1719.96 IR2_1.1@2515.67,-2326.85 2515.67,-2425.33 2476,-2465 2209,-2465 2024,-2280 1920,-2280 1687,-2047 1412,-2047 1329,-2130 v1(755,-2130) ; -2195,-217.98 -1750,-217.98
  Bottom Layer w8: IR2_2.1@-2515.67,2324.64 -2515.67,2083.67 v1(-2512,2080) ; v1(-707,1905) -691.76,1889.76 IR1_2.1@-50,1889.76 ; IR1_2.1@-50,1893 -49,1893 -13.38,1857.38 351.38,1857.38 410,1916 v1(410,1904) ; v1(670,-2025) 670,-2045 v1(755,-2130)
A0: C26_1.1 R23_1.2 U4.23 | length 2746.1
  Top Layer w8: v1(-1694.75,1190) -1551,1333.74 U4.23@-1484.65,1333.74 ; C26_1.1@-1471.47,-595 -1451.47,-615 v1(-1365,-615) R23_1.2@-1361.04,-615
  Bottom Layer w8: v1@-1695,1190 v1(-1694.75,1190) -1704.75,1180 -1726.06,1180 -1729.06,1183 -1902.25,1183 -2052,1033.25 -2052,770.27 -1804,522.27 -1804,235.06 -1365,-203.94 v1(-1365,-615)
A1: C25_1.1 R19_1.2 U4.24 | length 2613.5
  Top Layer w8: R19_1.2@-1780.96,-615 v1(-1775.96,-610) -1760.96,-595 C25_1.1@-1670.53,-595 ; v1(-1750,1207) -1750,1215 -1749,1216 -1691.37,1216 -1542.14,1365.24 U4.24@-1484.65,1365.24
  Bottom Layer w8: v1(-1775.96,-610) -1775.96,184.39 -1820,228.43 -1820,515.65 -2068,763.65 -2068,1039.88 -1902.88,1205 -1750,1205 v1(-1750,1207)
A2: C26_2.1 R23_2.2 U4.25 | length 2531.1
  Top Layer w8: C26_2.1@-2275.35,-604.8 -2174.96,-604.8 v1(-2165,-614.76) R23_2.2@-2164.92,-614.84 ; v1(-1750,1240) -1745,1245 -1685,1245 -1539.76,1390.24 U4.25@-1539.76,1420.35
  Bottom Layer w8: v1(-2165,-614.76) -2153,-602.76 -2153,213.06 -2136,230.06 -2136,241.37 -2085,292.37 -2085,1045.51 -1890.51,1240 v1(-1750,1240) v1@-1755,1240
A3: C29_2.1 R35_2.2 U4.26 | length 1672
  Top Layer w8: C29_2.1@-2270.51,245.16 C29_2.1@-2280.47,235.2 R35_2.2@-2170,235.2 ; v1(-1746,1275) -1750,1275 -1745,1280 -1685,1280 -1571.26,1393.74 U4.26@-1571.26,1420.35
  Bottom Layer w8: v1(-2160,240) -2101,299 -2101,1052.14 -1897.14,1256 -1769,1256 v1@-1750,1275 ; v1@-1750,1280 v1@-1750,1275 ; v1(-1746,1275) v1@-1750,1275
A4: C25_2.1 R19_2.2 U4.27 | length 2835.7
  Top Layer w8: R19_2.2@-2564.84,-614.84 -2554.84,-604.84 C25_2.1@-2474.41,-604.84 ; C25_2.1@-2454.41,-604.8 -2454.41,-611.93 -2391.34,-675 -2210,-675 v1(-2212,-677) ; v1(-1750,1310) -1745,1315 -1680,1315 -1605,1390 -1605,1418.11 U4.27@-1602.76,1420.35
  Bottom Layer w8: v1(-2212,-677) -2210,-675 -2210,255 -2117,348 -2117,1058.76 -1903.76,1272 -1788,1272 v1(-1750,1310) v1@-1750,1315
A5: C30_2.1 R36_2.2 U4.28 | length 1851.8
  Top Layer w8: R36_2.2@-2569.96,245.16 -2559.96,235.16 C30_2.1@-2479.53,235.16 ; C30_2.1@-2459.53,235.2 -2459.53,270.47 -2454,276 v1@-2236,276 ; v1(-1750,1345) -1680,1345 -1634.25,1390.75 U4.28@-1634.25,1420.35
  Bottom Layer w8: v1(-2231,273) -2231,288 -2133,386 -2133,1065.39 -1910.39,1288 -1807,1288 v1(-1750,1345)
A6: C29_1.1 R35_1.2 U4.19 | length 1740.4
  Top Layer w8: v1(-1645,1170) -1645,1170.89 -1608.13,1207.76 U4.19@-1484.65,1207.76 ; v1(-1471.47,235) -1461.47,245 R35_1.2@-1361.04,245
  Bottom Layer w8: v1(-1645,1170) -1700,1115 -1925,1115 -2020,1020 -2020,783.53 v1(-1471.47,235)
A7: C30_1.1 R36_1.2 U4.22 | length 1660.5
  Top Layer w8: v1(-1780,245) R36_1.2@-1780.96,245 -1770.96,235 C30_1.1@-1670.53,235 ; v1(-1739,1159) -1733,1165 -1685,1165 -1547.76,1302.24 U4.22@-1484.65,1302.24
  Bottom Layer w8: v1(-1780,245) -1780,520.9 -2036,776.9 -2036,1026.63 -1907.63,1155 -1750,1155 v1@-1746.87,1158.13
BL.RX: *.14 P7.4 RX.1 U4.30 | length 2693.7
  Top Layer w8: P7.4@-1789,1825 RX.1@-1789,1960 ; U4.30@-1697.24,1420.35 -1697.24,1477.76 v1(-1690,1485) ; v1(-1340,720) -1335,715 *.14@-950,715
  Bottom Layer w8: P7.4@-1790,1830 -1790,1585 v1(-1690,1485) -1683,1492 -1419.37,1492 -1342.51,1415.14 -1342.51,1057.49 -1380,1020 -1629.25,1020 -1706,943.25 -1706,867.94 -1714,859.94 -1714,840.06 -1699.94,826 -1392.06,826 -1340,773.94 v1(-1340,720)
BL.TX: *.15 R10.1 R11.2 TX_L.1 | length 2332.3
  Top Layer w8: TX_L.1@-2369.5,1699.5 -2334.96,1664.96 R10.1@-2250,1664.96 v1(-2250,1575.04) ; v1(-2240,800) v1(-1960,800) ; v1(-1370,770) -995,770 *.15@-950,815
  Bottom Layer w8: v1(-2250,1575.04) -2250,810 v1(-2240,800) ; v1(-1960,800) -1950,810 -1410,810 v1(-1370,770)
BL.TXH: P7.5 R10.2 TX_H.1 U4.31 | length 903.1
  Top Layer w8: R10.2@-2250,1785.04 -2210.04,1825 TX_H.1@-2130,1825 -2067,1888 -1948,1888 P7.5@-1890,1830 ; U4.31@-1728.74,1420.35 v1(-1728.74,1483.74)
  Bottom Layer w8: P7.5@-1890,1830 -1890,1645 v1(-1728.74,1483.74)
BUSY: R13.2 U4.12 | length 5497.8
  Top Layer w8: U4.12@-1665.75,1089.65 -1665.75,1048.38 -1638.37,1021 -1501,1021 -1251,1021 -1228,998 v1(-1228,950) ; v1(-1230,-1569.96) R13.2@1200,-1569.96
  Bottom Layer w8: v1(-1230,-1569.96) v1@-1230,950
COM: U4.11 U7.1 | length 262.6
  Top Layer w8: U4.11@-1697.24,1089.65 -1697.24,1057.24 -1645,1005 -1550,1005 -1535.25,990.25 U7.1@-1535.25,949.83
D1: IR_DBS1.1 TP1.1 U7.5 | length 3518.3
  Top Layer w8: v1(-1640,850) -1640,947.44 U7.5@-1637.61,949.83 ; IR_DBS1.1@510,2060 510,2170 TP1.1@560,2220
  Bottom Layer w8: v1@-1641,851 v1(-1640,850) -1640,936.69 -1604.69,972 -1360.12,972 -1288,1044.12 -1288,1954.63 -1246.63,1996 446,1996 IR_DBS1.1@510,2060
D2: IR_DBS2.1 TP3.1 U7.4 | length 4527.8
  Top Layer w8: v1(-1615,875) -1612.02,877.98 U7.4@-1612.02,949.83 ; TP3.1@1500,2340 1515,2325 IR_DBS2.1@1515,2100
  Bottom Layer w8: v1(-1615,875) -1615,934.37 -1593.37,956 -1353.49,956 -1272,1037.49 -1272,1948 -1240,1980 1395,1980 IR_DBS2.1@1515,2100
D3: IR_DBS3.1 TP5.1 U7.3 | length 5975.4
  Top Layer w8: U7.3@-1586.43,949.83 -1586.43,851.43 v1(-1585,850) ; IR_DBS3.1@3095,1945 TP5.1@3202,1838
  Bottom Layer w8: v1(-1585,850) -1585,920 -1565,940 -1346.86,940 -1256,1030.86 -1256,1941.37 -1233.37,1964 3076,1964 IR_DBS3.1@3095,1945
D4: IR_DBS4.1 TP7.1 U7.2 | length 7384.3
  Top Layer w8: U7.2@-1560.84,949.83 -1560.84,875.84 v1(-1560,875) ; IR_DBS4.1@3600,610 3640,570 TP7.1@3640,440
  Bottom Layer w8: v1(-1560,875) -1560,910 -1546,924 -1340.24,924 -1240,1024.24 -1240,1934.75 -1226.75,1948 2962,1948 3410,1500 3410,800 IR_DBS4.1@3600,610
D5: IR_DBS5.1 TP9.1 U7.23 | length 11161.1
  Top Layer w8: v1(-2993,350) -2890,453 -1728.61,453 -1560,621.61 -1560,677.33 U7.23@-1560.84,678.17 ; TP9.1@3560,-960 IR_DBS5.1@3560,-820
  Bottom Layer w8: v1(-2993,350) -3006,337 -3006,-1749 -2797,-1958 2742,-1958 3555,-1145 IR_DBS5.1@3555,-815
D6: IR_DBS6.1 TP11.1 U7.22 | length 10022.4
  Top Layer w8: v1(-3005,383) -2919,469 -1735.24,469 -1586,618.24 -1586,677.74 U7.22@-1586.43,678.17 ; TP11.1@2880,-2220 2880,-2210 IR_DBS6.1@2980,-2110
  Bottom Layer w8: v1(-3005,383) -3022,366 -3022,-1755.63 -2803.63,-1974 2844,-1974 IR_DBS6.1@2980,-2110
D7: IR_DBS7.1 TP13.1 U7.21 | length 8488.4
  Top Layer w8: v1(-3027,410) -2952,485 -1741.86,485 -1611,615.86 -1611,677.15 U7.21@-1612.02,678.17 ; TP13.1@1220,-2220 IR_DBS7.1@1370,-2220
  Bottom Layer w8: v1(-3027,410) -3038,399 -3038,-1762.25 -2810.25,-1990 1140,-1990 IR_DBS7.1@1370,-2220
D8: IR_DBS8.1 TP15.1 U7.20 | length 7379.2
  Top Layer w8: v1(-3041,440) -2980,501 -1748.49,501 -1637.61,611.88 U7.20@-1637.61,678.17 ; TP15.1@185,-2095 IR_DBS8.1@310,-2095
  Bottom Layer w8: v1(-3041,440) -3054,427 -3054,-1768.88 -2816.88,-2006 221,-2006 IR_DBS8.1@310,-2095
D9: IR_DBS9.1 TP2.1 U7.19 | length 6595.8
  Top Layer w8: v1(-3057,471) -3011,517 -1755.12,517 -1665,607.12 -1665,676.38 U7.19@-1663.2,678.17 ; TP2.1@-650,-2050 IR_DBS9.1@-505,-2050
  Bottom Layer w8: v1(-3057,471) -3070,458 -3070,-1775.51 -2822.51,-2023 -532,-2023 IR_DBS9.1@-505,-2050
D10: IR_DBS10.1 TP4.1 U7.18 | length 5656.7
  Top Layer w8: v1(-3078,500) -3045,533 -1761.75,533 -1690,604.75 -1690,676.97 U7.18@-1688.8,678.17 ; TP4.1@-1700,-2120 -1545,-2120 IR_DBS10.1@-1530,-2105
  Bottom Layer w8: v1(-3078,500) -3086,492 -3086,-1782.14 -2829.14,-2039 -1596,-2039 IR_DBS10.1@-1530,-2105
D11: IR_DBS11.1 TP6.1 U7.17 | length 4081.7
  Top Layer w8: TP6.1@-3160,-1860 -3160,-1890 IR_DBS11.1@-3100,-1950 ; v1(-3080,540) -3071,549 -1768.37,549 -1715,602.37 -1715,677.56 U7.17@-1714.39,678.17
  Bottom Layer w8: IR_DBS11.1@-3100,-1950 -3102,-1948 -3102,518 v1(-3080,540)
D12: IR_DBS12.1 TP8.1 U7.16 | length 3247.4
  Top Layer w8: TP8.1@-3620,-480 -3620,-605 IR_DBS12.1@-3610,-615 ; v1(-3100,580) -3085,565 -1775,565 -1740,600 U7.16@-1740,678.15
  Bottom Layer w8: IR_DBS12.1@-3610,-615 -3195,-615 -3118,-538 -3118,562 v1(-3100,580)
D13: IR_DBS13.1 TP10.1 U7.9 | length 2089.8
  Top Layer w8: TP10.1@-3540,940 -3575,905 IR_DBS13.1@-3575,810 -3465,920 v1(-1990,920) ; v1(-1770,885) -1765,885 -1739.98,910.02 U7.9@-1739.98,949.83
  Bottom Layer w8: v1(-1990,920) -1805,920 v1(-1770,885)
D14: IR_DBS14.1 TP12.1 U7.8 | length 3284.6
  Top Layer w8: IR_DBS14.1@-2990,2120 IR_DBS14.1@-2989.78,2120.22 ; TP12.1@-2900,2220 -2900,2120.22 IR_DBS14.1@-2989.78,2120.22 ; v1@-2100,2120.22 IR_DBS14.1@-2989.78,2120.22 ; U7.8@-1714.39,949.83 v1(-1714.39,1020.61)
  Bottom Layer w8: v1(-2100,2120) -2080,2120 -2045,2085 -2045,1475 -2020,1450 -1806.94,1450 -1805.94,1451 -1786.06,1451 -1785.06,1450 -1675,1450 -1649,1476 -1426,1476 -1358.51,1408.51 -1358.51,1064.12 -1386.63,1036 -1699,1036 v1(-1714.39,1020.61)
D15: IR_DBS15.1 TP14.1 U7.7 | length 1918.6
  Top Layer w8: v1(-1690,850) -1690,948.62 U7.7@-1688.8,949.83 ; IR_DBS15.1@-1377.95,2204.72 -1282.68,2300 TP14.1@-1280,2300
  Bottom Layer w8: v1(-1690,850) -1690,936.63 -1622.63,1004 -1373.37,1004 -1320,1057.37 -1320,2149 -1360,2189 IR_DBS15.1@-1360,2215
D16: IR_DBS16.1 TP16.1 U7.6 | length 2661.7
  Top Layer w8: v1(-1665,875) -1663.2,876.8 U7.6@-1663.2,949.83 ; IR_DBS16.1@-314,2098 -302,2098 TP16.1@-200,2200
  Bottom Layer w8: v1@-1666,876 v1(-1665,875) -1665,939 -1616,988 -1366.75,988 -1304,1050.75 -1304,1961.25 -1253.25,2012 -400,2012 IR_DBS16.1@-314,2098
DB0: *.33 LCD1.21 | length 4809.1
  Top Layer w8: *.33@-333.61,1793.61 -300,1760 -300,1690 109,1281 109,112.61 674.61,-453 2248,-453 2320,-525 2320,-849.79 LCD1.21@2422.45,-952.25
DB1: *.34 LCD1.22 | length 4595.9
  Top Layer w8: *.34@-250,1715 -250,1705 125,1330 125,119.24 681.24,-437 2254.63,-437 2336,-518.37 2336,-765.79 LCD1.22@2422.45,-852.25
DB2: *.35 LCD1.23 | length 4594
  Top Layer w8: *.35@-250,1803 -200,1753 -200,1685 141,1344 141,125.86 687.86,-421 2261.25,-421 2352,-511.75 2352,-699 2405.25,-752.25 LCD1.23@2422.45,-752.25